# Altium PCB PCB.PcbDoc (part 1 of 10) (continued)
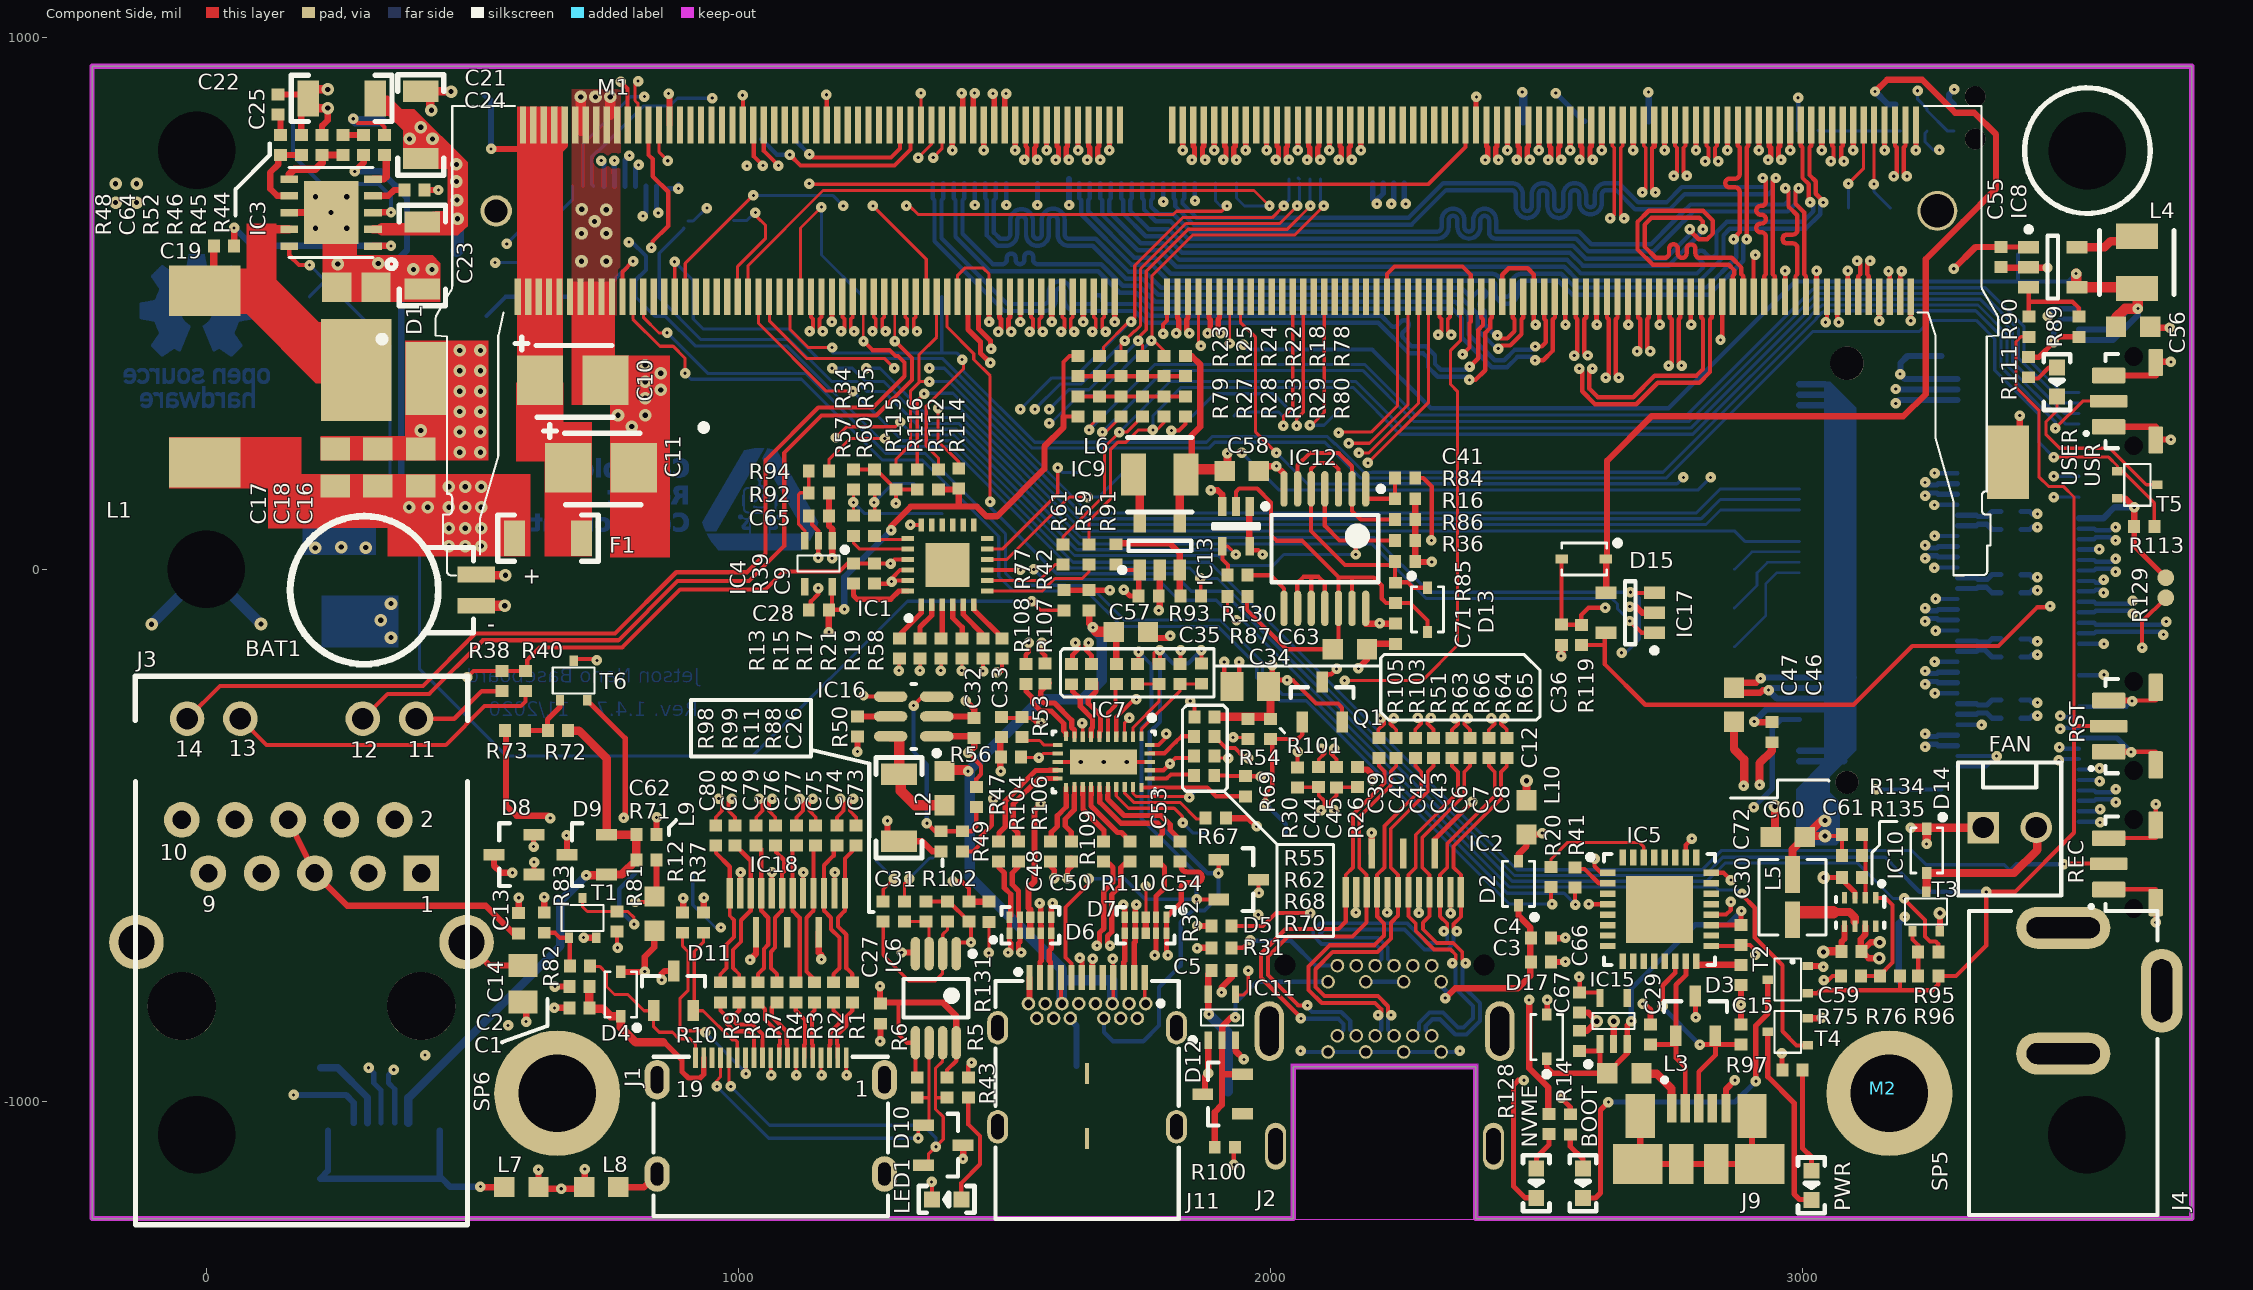
[diagram p0: Component Side view]
## Components (designator, comment, footprint, x,y, rotation, side; value= is the part's Value field where it differs from the comment) (continued)
BOOT "APT1608SGC" LED0603 2587.61,-1153.7 r270 top
C1 "4u7" 0402#1 701.33,-824 r0 top
C2 "4u7" 0402#1 701.33,-784 r0 top
C3 "4u7" 0402#1 2508.33,-738 r180 top
C4 "4u7" 0402#1 2508.33,-693 r180 top
C5 "100n" 0402#1 1908.33,-754 r180 top
C6 "100n" 0402#1 2341.33,-335.74 r270 top
C7 "100n" 0402#1 2375.39,-335.74 r270 top
C8 "100n" 0402#1 2410.61,-335.74 r270 top
C9 "100n" 0402#1 1256.33,-8 r90 top
C10 "CPol" Kemet_B 627.23,355.68 r0 top
C11 "CPol" Kemet_B 680.28,191.11 r0 top
C12 "100n" 0402#1 2444.43,-335.74 r270 top
C13 "10n" 0402#1 587.33,-665 r90 top
C14 "100p" 0805 595.33,-779 r270 top
C15 "47p" 0402#1 2884.33,-874 r270 top
C16 "47u" 0805 402.96,191.54 r270 top
C17 "47u" 0805 242.39,191.54 r270 top
C18 "47u" 0805 322.67,191.54 r270 top
C19 "100n" 0402#1 33.33,608 r180 top
C21 "2u2" 1206 403.22,835.39 r270 top
C22 "2u2" 1206 254.58,885.07 r0 top
C23 "2u2" 1206 406.33,590 r90 top
C24 "10n" 0402#1 391.33,713 r0 top
C25 "4n7" 0402#1 135.08,873.45 r270 top
C26 "100n" 0402#1 1433.33,-643 r90 top
C27 "100n" 0402#1 1267.33,-835 r90 top
C28 "1u" 0402#1 1151.33,-76 r0 top
C29 "47p" 0402#1 2714.33,-874 r270 top
C30 "100n" 0402#1 2884.33,-762 r90 top
C31 "100u" 1206 1302.09,-447.89 r90 top
C32 "1u" 0402#1 1443.33,-298 r270 top
C33 "100n" 0402#1 1494.33,-296 r270 top
C34 "47u" 0805 1962.33,-220 r0 top
C35 "10u" 0603 1737.94,-117.64 r180 top
C36 "100n" 0402#1 2547.03,-122.83 r90 top
C37 "100n" 0402#1 3391.61,108.98 r0 bottom
C38 "100n" 0402#1 3391.61,74.86 r0 bottom
C39 "100n" 0402#1 2204.11,-335.74 r270 top
C40 "100n" 0402#1 2236.52,-335.74 r270 top
C41 "47n" 0402#1 2253.33,172 r180 top
C42 "100n" 0402#1 2272.76,-335.74 r270 top
C43 "100n" 0402#1 2306.33,-335.74 r270 top
C44 "100n" 0402#1 2090.84,-390.42 r270 top
C45 "100n" 0402#1 2124.47,-390.6 r270 top
C46 "100n" 0402#1 2942.33,-306 r90 top
C47 "10u" 0603 2871.33,-254.34 r90 top
C48 "100n" 0402#1 1586.38,-530 r90 top
C49 "100n" 0402#1 3391.61,-9.63 r0 bottom
C50 "100n" 0402#1 1626.24,-530 r90 top
C51 "100n" 0402#1 3391.61,-44.02 r0 bottom
C52 "100n" 0402#1 3391.61,-130.35 r0 bottom
C53 "100n" 0402#1 1785.68,-530 r90 top
C54 "100n" 0402#1 1830.22,-530 r90 top
C55 "4u7" 0402#1 3373.33,587 r90 top
C56 "10u" 0603 3621.33,456 r180 top
C57 "4u7" 0402#1 1771.33,-50 r180 top
C58 "10u" 0603 1946.33,185 r180 top
C59 "2u2" 0402#1 3092.33,-718 r0 top
C60 "10u" 0603 2972.33,-503 r0 top
C61 "100p" 0402#1 3093.33,-498 r180 top
C62 "4u7" 0402#1 827.33,-498 r180 top
C63 "10u" 0603 2149.33,-150 r180 top
C64 "47p" 0402#1 178.77,797.54 r270 top
C65 "2u2" 0402#1 1151.33,100 r0 top
C66 "1u" 0402#1 2581.33,-814 r90 top
C67 "2u2" 0402#1 2581.33,-886 r270 top
C68 "100n" 0402#1 3391.61,-164.73 r0 bottom
C69 "100n" 0402#1 3391.61,-245.28 r0 bottom
C70 "100n" 0402#1 3391.61,-279.67 r0 bottom
C71 "100n" 0402#1 2235.33,-121 r90 top
C72 "100n" 0402#1 2884.33,-687 r90 top
C73 "100n" 0402#1 1221.48,-500.15 r270 top
C74 "100n" 0402#1 1185.51,-500.15 r270 top
C75 "100n" 0402#1 1145.53,-500.15 r270 top
C76 "100n" 0402#1 1069.57,-500.15 r270 top
C77 "100n" 0402#1 1109.55,-500.15 r270 top
C78 "100n" 0402#1 993.62,-500.15 r270 top
C79 "100n" 0402#1 1033.6,-500.15 r270 top
C80 "100n" 0402#1 957.64,-500.15 r270 top
D1 "PDS760-13" PowerDI 282.33,374.49 r90 top
D2 "1N4148WS" SOD-323#1 2466.33,-590 r180 top
D3 "TPD2E009DBZR" SOT-23s 2798.9,-839.1 r90 top
D4 "1N4148WS" SOD-323#1 779.33,-798 r180 top
D5 "TPD2E009DBZR" SOT-23s 1940.33,-583 r0 top
D6 "TPD4E05U06" TPD4E05U06_PASS 1548.97,-668.82 r0 top
D7 "TPD4E05U06" TPD4E05U06_PASS 1765.5,-668.82 r180 top
D8 "TPD2E009DBZR" SOT-23s 578.33,-536 r180 top
D9 "TPD2E009DBZR" SOT-23s 715.33,-536 r180 top
D10 "TPD2E009DBZR" SOT-23s 1385.33,-1082 r0 top
D11 "TPD2E009DBZR" SOT-23s 878.33,-792 r90 top
D12 "TPD2E009DBZR" SOT-23s 1910.33,-986 r180 top
D13 "1N4148WS" SOD-323#1 2295.33,-76 r0 top
D14 "1N4148WS" SOD-323#2 3233.33,-529 r180 top
D15 "1N4148WS" SOD-323#1 2588.95,19.59 r270 top
D17 "1N4148WS" SOD-323#1 2519.33,-878 r180 top
F1 "Value" Fuse-1206 579.37,58.87 r0 top
FAN "MX-22-23-2021" molex_2223-2021 3389.4,-485.2 r0 top
IC1 "TCA9548ARGER" VQFN-24 1393.12,8.64 r180 top
IC2 "TPD8S009" SON-15 2249.75,-570.39 r180 top
IC3 "TPS54561QDPRRQ1" WSON-10_4x4 234.74,670.58 r270 top
IC4 "TLV70018DCKT" SC70-5 1176.33,54 r270 top
IC5 "FT232RQ" QFN-32 2731.33,-639 r0 top
IC6 "PCA9517ADP,118" MSOP-8 1371.33,-806 r270 top
IC7 "HD3SS3220" RNH0030A 1686.76,-361.73 r270 top
IC8 "LM3671MF-3.3" SOT23-5N 3470.33,568 r0 top
IC9 "LM3671MF-3.3" SOT23-5N 1792.19,44.15 r90 top
IC10 "TPS62823DLCT" TPS62823 3108.33,-644 r270 top
IC11 "SN74LV1T125DCKR" SC70-5 1883.33,-885 r90 top
IC12 "74HC00PW,118" TSSOP-14 2102.33,39 r270 top
IC13 "SN74LVC1G126DCKR" R-PDSO-G5 1935.33,81 r270 top
IC15 "TLV70018DCKT" SC70-5 2619.33,-892 r90 top
IC16 "NCP380HSNAJAAT1G" TSOP-6 1329.64,-276.41 r180 top
IC17 "AT24CS01-STUM-T" SOT23-5 2676.43,-81.52 r180 top
IC18 "TPD8S009" SON-15 1092.27,-645.2 r0 top
J1 "685119136923" WE_685119136923 1061.09,-1059.53 r0 top
J2 "2129320-3" 2129320-3 2214.64,-913.86 r0 top locked
J3 "7499110124" WE_7499110124 179.14,-550.71 r180 top locked
J4 "PJ-002AH" DC_SOCKET_PJ-002AH 3490.12,-1213.07 r90 top
J5 "Molex 47346-0001" CON-Molex-047346-0001 328.75,-1090.08 r90 bottom
J6 "68715014522" 68715014522 1753.94,740.63 r0 bottom
J7 "68715014022" 68715014022 3534.48,22.92 r270 bottom
J8 "MDT580M01001" MDT580M01001 3142.64,-6.42 r90 bottom
J9 "Molex 47346-0001" CON-Molex-047346-0001 2805.12,-1062.52 r90 top
J10 "68711014522" WE_68711014522_MFG 775.98,822.83 r0 bottom
J11 "632723100011" WE_632723100011 1655.58,-988.66 r0 top locked
L1 "7447798720" WE_7447798720 -2.76,362.1 r270 top
L2 "BLM18EG221SN1D" 0603 1387.33,-411 r90 top
L3 "BLM18EG221SN1D" 0603 2665.33,-947 r180 top
L4 "LQH32PN2R2NN0L" LQH32PN2R2NN0L 3628.33,577 r270 top
L5 "IHLP1212AEERR47M11" IHLP-1212AE 2981.33,-616 r90 top
L6 "LQH32PN2R2NN0L" LQH32PN2R2NN0L 1792.19,178.01 r0 top
L7 "BLM18SG121TN1D" 0603 592.33,-1161 r0 top
L8 "BLM18SG121TN1D" 0603 742.33,-1161 r0 top
L9 "BLM18SG121TN1D" 0603 842.33,-647 r270 top
L10 "BLM18SG121TN1D" 0603 2481.33,-466 r270 top
LED1 "APT1608SGC" LED0603 1391.66,-1184.1 r180 top
M1 "2309413-1" jetson-nano-connector 3151.33,-979.84 r180 top
M2 "Value" jetson-nano-module 3151.03,-974.78 r180 top
NVME "APT1608SGC" LED0603 2499.66,-1153.7 r270 top
PWR "APT1608SGC" LED0603 3016.71,-1157.67 r270 top
Q1 "PMV32UP,215" SOT-23 2097.33,-249 r90 top
R1 "5R6" 0402#1 1214.32,-794.8 r270 top
R2 "5R6" 0402#1 1178.89,-794.8 r270 top
R3 "5R6" 0402#1 1143.45,-794.8 r270 top
R4 "5R6" 0402#1 1108.02,-794.8 r270 top
R5 "2k" 0402#1 1392.33,-974 r270 top
R6 "2k" 0402#1 1336.33,-974 r270 top
R7 "5R6" 0402#1 1072.59,-794.8 r270 top
R8 "5R6" 0402#1 1037.15,-794.8 r270 top
R9 "5R6" 0402#1 1001.72,-794.8 r270 top
R10 "5R6" 0402#1 966.29,-794.8 r270 top
R11 "2k" 0402#1 1352.83,-643 r270 top
R12 "0R" 0402#1 895.33,-664 r270 top
R13 "0R" 0402#1 1302.57,-148.84 r90 top
R14 "470R" 0402#1 2563.61,-1042.83 r90 top
R15 "0R" 0402#1 1341.94,-148.84 r90 top
R16 "1k" 0402#1 2253.33,93.5 r180 top
R17 "0R" 0402#1 1381.31,-148.84 r90 top
R18 "2k" 0402#1 1799.93,382 r90 top
R19 "0R" 0402#1 1460.05,-148.84 r90 top
R20 "22R" 0402#1 2527.33,-578 r270 top
R21 "0R" 0402#1 1420.68,-148.84 r90 top
R22 "2k" 0402#1 1759.53,382 r90 top
R23 "0R" 0402#1 1638.33,382 r90 top
R24 "2k" 0402#1 1719.13,382 r90 top
R25 "2k" 0402#1 1678.73,382 r90 top
R26 "100k" 0402#1 2163.76,-390.42 r90 top
R27 "2k" 0402#1 1678.73,306 r270 top
R28 "2k" 0402#1 1719.33,306 r270 top
R29 "2k" 0402#1 1799.91,306 r270 top
R30 "100k" 0402#1 2051.18,-391.15 r270 top
R31 "1M" 0402#1 1908.33,-711.25 r0 top
R32 "1M" 0402#1 1908.33,-670 r0 top
R33 "2k" 0402#1 1759.33,306 r270 top
R34 "2k" 0402#1 1216.33,169 r270 top
R35 "2k" 0402#1 1256.33,169 r270 top
R36 "1k" 0402#1 2253.33,15 r0 top
R37 "2k" 0402#1 934.33,-664 r90 top
R38 "220R" 0402#1 556.33,-210 r90 top
R39 "0R" 0402#1 1216.33,-8 r90 top
R40 "220R" 0402#1 600.33,-210 r90 top
R41 "22R" 0402#1 2572.33,-579 r270 top
R42 "0R" 0402#1 1659.33,-58 r270 top
R43 "470R" 0402#1 1432.33,-974 r90 top
R44 "243k" 0402#1 335.01,797.54 r90 top
R45 "49R9" 0402#1 295.95,797.54 r270 top
R46 "53k6" 0402#1 256.89,797.54 r90 top
R47 "0R" 0402#1 1447.33,-428 r90 top
R48 "16k9" 0402#1 139.71,797.51 r270 top
R49 "0R" 0402#1 1421.33,-511 r90 top
R50 "10k2" 0402#1 1224.33,-295 r90 top
R51 "909k" 0402#1 1710.38,-196.38 r90 top
R52 "10k2" 0402#1 217.83,797.54 r270 top
R53 "200k" 0402#1 1533.33,-296 r90 top
R54 "10k" 0402#1 1958.33,-300 r270 top
R55 "2k" 0402#1 1876.33,-277 r180 top
R56 "0R" 0402#1 1512.33,-353 r0 top
R57 "0R" 0402#1 1216.33,82 r90 top
R58 "0R" 0402#1 1495.49,-148.84 r90 top
R59 "0R" 0402#1 1659.33,28 r270 top
R60 "0R" 0402#1 1256.33,82 r90 top
R61 "0R" 0402#1 1610.33,28 r270 top
R62 "0R" 0402#1 1875.74,-313.7 r180 top
R63 "0R" 0402#1 1750.37,-196.38 r90 top
R64 "0R" 0402#1 1830.34,-196.38 r90 top
R65 "0R" 0402#1 1870.33,-196 r270 top
R66 "0R" 0402#1 1790.36,-196.38 r270 top
R67 "200k" 0402#1 1897.28,-467.67 r0 top
R68 "0R" 0402#1 1875.74,-350.41 r180 top
R69 "2k" 0402#1 1953.45,-407.51 r270 top
R70 "2k" 0402#1 1875.66,-387.11 r180 top
R71 "0R" 0402#1 827.33,-546 r0 top
R72 "10k" 0402#1 661.33,-303 r180 top
R73 "2k" 0402#1 580.33,-303 r180 top
R75 "0R" 0402#1 3091.33,-764 r180 top
R76 "10k" 0402#1 3164.33,-764 r0 top
R77 "100k" 0402#1 1612.33,-58 r90 top
R78 "0R" 0402#1 1840.33,382 r90 top
R79 "0R" 0402#1 1638.33,306 r270 top
R80 "0R" 0402#1 1840.33,306 r270 top
R81 "2k" 0402#1 772.33,-662 r90 top
R82 "0R" 0402#1 702.33,-745 r180 top
R83 "2k" 0402#1 635.33,-664 r90 top
R84 "200k" 0402#1 2253.33,132.75 r0 top
R85 "470k" 0402#1 2235.33,-44 r270 top
R86 "200k" 0402#1 2253.33,54.25 r0 top
R87 "1k" 0402#1 1938.33,-51 r0 top
R88 "2k" 0402#1 1393.08,-643 r270 top
R89 "0R" 0402#1 3519.33,456 r270 top
R90 "10k" 0402#1 3425.33,456 r270 top
R91 "0R" 0402#1 1709.52,28.4 r270 top
R92 "0R" 0402#1 1151.33,144 r180 top
R93 "10k" 0402#1 1850.33,-50 r0 top
R94 "10k" 0402#1 1151.33,185 r0 top
R95 "10k" 0402#1 3236.33,-719 r0 top
R96 "10k" 0402#1 3236.33,-764 r0 top
R97 "470R" 0402#1 2981.33,-941 r180 top
R98 "0R" 0402#1 1272.33,-643 r90 top
R99 "0R" 0402#1 1312.58,-643 r90 top
R100 "100k" 0402#1 1914.33,-1086 r180 top
R101 "100k" 0402#1 2000.33,-300 r90 top
R102 "10k" 0402#1 1381.33,-511 r90 top
R103 "0R" 0402#1 1663.64,-196.57 r270 top
R104 "0R" 0402#1 1489.33,-530 r270 top
R105 "0R" 0402#1 1626.33,-197 r270 top
R106 "0R" 0402#1 1526.33,-530 r270 top
R107 "0R" 0402#1 1576.33,-196 r270 top
R108 "0R" 0402#1 1540.33,-196.38 r270 top
R109 "0R" 0402#1 1686.33,-530 r270 top
R110 "0R" 0402#1 1736.33,-530 r270 top
R111 "470R" 0402#1 3424.33,380 r90 top
R112 "10k" 0402#1 1376.33,169 r90 top
R113 "100k" 0402#1 3642.33,81 r180 top
R114 "10k" 0402#1 1414.33,171 r270 top
R115 "10k" 0402#1 1296.33,169 r270 top
R116 "10k" 0402#1 1336.33,169 r270 top
R119 "100k" 0402#1 2584.33,-123 r270 top
R128 "220R" 0402#1 2523.45,-1042.44 r90 top
R129 "0R" 0402#2 3682.9,-34.57 r270 top
R130 "0R" 0402#1 1938.33,-11 r0 top
R131 "10k" 0402#1 1471.19,-643.43 r270 top
R132 "0R" 0402#1 3010.79,824.82 r0 bottom
R134 "243k" 0402#1 3093.33,-538 r0 top
R135 "53k6" 0402#1 3093.33,-579 r0 top
REC "TL3340AF160QG" TL3340AF160QG 3622.68,-553.46 r270 top locked
RST "TL3340AF160QG" TL3340AF160QG 3622.68,-294.52 r270 top locked
SP1 "9774060151" M2.5-6mm 3535.42,786.93 r180 bottom
SP2 "9774060151" M2.5-6mm 3534.48,-1062.52 r180 bottom
SP3 "9774060151" M2.5-6mm -17.71,787.88 r180 bottom
SP4 "9774060151" M2.5-6mm -17.71,-1062.52 r0 bottom locked
SP5 "9774060151" M2.5-6mm 3163.45,-984.72 r0 top locked
SP6 "9774060151" M2.5-6mm 659.45,-984.72 r0 top locked
SP7 "9774040151" M2.5-4mm 0,0 r180 bottom
T1 "BSS138PW,115" SC70-3 707.33,-655 r90 top
T2 "BSS138PW,115" SC70-3 2972.33,-771 r180 top
T3 "BSS138PW,115" SC70-3 3232.33,-643 r90 top
T4 "BSS138PW,115" SC70-3 2972.33,-869 r180 top
T5 "BSS138PW,115" SC70-3 3629.33,159 r0 top
T6 "BSS138PW,115" SC70-3 690.59,-208.69 r90 top
TP1 "Testpad" TP-R-1.5#1 1383.12,96.68 r180 bottom
TP2 "Testpad" TP-R-1.5#2 2869.41,72.3 r90 bottom
TP3 "Testpad" TP-R-1.5#3 3165.33,684 r90 bottom
TP4 "Testpad" TP-R-1.5#4 3086.33,679 r90 bottom
TP5 "Testpad" TP-R-1.5#4 163.02,842 r90 bottom
TP6 "Testpad" TP-R-1.5#5 1931.33,288 r90 bottom
TP7 "Testpad" TP-R-1.5#4 2872.09,0.25 r90 bottom
TP8 "Testpad" TP-R-1.5#4 2131.2,301.44 r90 bottom
TP9 "Testpad" TP-R-1.5#6 1846.33,297 r90 bottom
TP10 "Testpad" TP-R-1.5#7 1330.02,161.62 r90 bottom
TP11 "Testpad" TP-R-1.5#8 1719.33,227 r90 bottom
TP12 "Testpad" TP-R-1.5#9 1644.33,206 r90 bottom
TP13 "Testpad" TP-R-1.5#4 1234.99,512.29 r90 bottom
TP14 "Testpad" TP-R-1.5#4 991.4,655.69 r90 bottom
TP15 "Testpad" TP-R-1.5#4 2872.24,-145.41 r90 bottom
TP16 "Testpad" TP-R-1.5#4 469.85,588.96 r90 bottom
TP17 "Testpad" TP-R-1.5#10 330.33,847.63 r90 bottom
TP18 "Testpad" TP-R-1.5#4 2029.33,-494 r90 bottom
TP19 "Testpad" TP-R-1.5#4 1635.58,-932.6 r90 bottom
TP20 "Testpad" TP-R-1.5#4 2872.09,-72.58 r90 bottom
TP21 "Testpad" TP-R-1.5#4 1881.73,-495.57 r90 bottom
TP22 "Testpad" TP-R-1.5#4 215.58,-936.53 r90 bottom
TP23 "Testpad" TP-R-1.5#11 1043.28,808.51 r90 bottom
TP24 "Testpad" TP-R-1.5#12 1107.04,842 r90 bottom
TP25 "Testpad" TP-R-1.5#13 806.33,-575 r90 bottom
TP26 "Testpad" TP-R-1.5#4 914.33,-571 r90 bottom
TP27 "Testpad" TP-R-1.5#4 905.61,654.69 r90 bottom
TP28 "Testpad" TP-R-1.5#4 627.02,605.68 r90 bottom
TP29 "Testpad" TP-R-1.5#14 806.86,522.45 r90 bottom
TP30 "TC2030" TC2030 3224.54,848.78 r0 bottom
TP31 "Testpad" TP-R-1.5#4 522.85,471.28 r90 bottom
TP32 "Testpad" TP-R-1.5#4 1881.48,-410.88 r90 bottom
TP33 "Testpad" TP-R-1.5#4 1258.78,-542.38 r90 bottom
TP34 "Testpad" TP-R-1.5#15 1365.58,-544.46 r90 bottom
TP35 "Testpad" TP-R-1.5#16 915.33,511 r90 bottom
TP36 "Testpad" TP-R-1.5#17 1382.33,513 r90 bottom
TP37 "Testpad" TP-R-1.5#18 3180.33,-585 r90 bottom
TP38 "Testpad" TP-R-1.5#4 522.28,900.75 r90 bottom
TP39 "Testpad" TP-R-1.5#4 3390.33,-566 r90 bottom
TP40 "Testpad" TP-R-1.5#4 194.33,512 r90 bottom
TP41 "Testpad" TP-R-1.5#19 3184.33,-774 r90 bottom
TP42 "Testpad" TP-R-1.5#20 2591.33,831 r90 bottom
TP43 "Testpad" TP-R-1.5#4 3405.33,592 r90 bottom
TP44 "Testpad" TP-R-1.5#21 2711.33,841 r90 bottom
TP45 "Testpad" TP-R-1.5#20 2475.33,831 r90 bottom
TP47 "Testpad" TP-R-1.5#4 1920.33,-981 r90 bottom
USER "APT1608SGC" LED0603 3478.33,352 r270 top
USR "TL3340AF160QG" TL3340AF160QG 3622.67,316.14 r270 top locked

## Footprints (in the part's own frame and the unit in brackets; to place one, negate y for a bottom-side part, rotate by r counter-clockwise, add the part's x,y. Pads: shape width x height; smd on the part's side, far side on the other; paste and mask are expansions set on the pad)
0402#1 [mm]
  rect 0.57x0.62 smd: 1(-0.48,0) 2(0.48,0)
  body extent -0.47,-0.25 0.53,0.25, height 0.35
0402#2 [mm]
  round 0.8 smd: 1(-0.48,0) 2(0.48,0)
  body extent -0.47,-0.25 0.53,0.25, height 0.35
0603 [mm] "Chip Inductor Ferrite Bead 0603"
  rect 0.97x0.96 smd: 1(-0.815,0) 2(0.815,0)
  body extent -0.87,-0.48 0.87,0.47, height 0.6
0805 [mm]
  rect 1.1x1.4 smd: 1(-0.875,0) 2(0.875,0)
  body extent -1,-0.63 1,0.63, height 0.78
1206 [mm]
  rect 1.016x1.7 smd: 1(-1.6,0) 2(1.6,0)
  silkscreen extent -2.4,-1.1 2.4,1.1, body extent -1.63,-0.79 1.58,0.84, height 0.61
2129320-3 [mm]
  round 0.65 hole 0.45: 1(-2.7,0.175) 2(-2.7,3.525) 3(-2.25,0.95) 4(-2.25,4.3) 5(-1.35,0.95) 6(-1.35,4.3) 7(-0.9,0.175) 8(-0.9,3.525) 9(-0.45,0.95) 10(-0.45,4.3) 11(0.45,0.95) 12(0.45,4.3) 13(0.908,0.175) 14(0.908,3.525) 15(1.35,0.95) 16(1.35,4.3) 17(2.25,0.95) 18(2.25,4.3) 19(2.7,0.175) 20(2.7,3.525)
  oval 1.4x2.85 hole 0.9 slot 2.35 at 90 deg: 21(-5.5,1.175) 24(5.5,1.175)
  oval 1x2.25 hole 0.7 slot 1.74 at 90 deg: 22(-5.2,-4.325) 23(5.2,-4.325)
  round 0.75 hole 1 unplated: M(-4.75,4.325) M(4.75,4.325)
  Keep-Out Layer board cut-out: -4.445,-0.381 4.445,-0.381 4.445,-7.825 -4.445,-7.825
  body extent -5.7,-7.82 5.7,4.83, height 4.18
68715014022 [mm] "50 pins"
  rect 0.3x1.2 smd: 1(12.635,0.381) 2(12.135,0.381) 3(11.635,0.381) 4(11.135,0.381) 5(10.635,0.381) 6(10.135,0.381) 7(9.635,0.381) 8(9.135,0.381) 9(8.635,0.381) 10(8.135,0.381) 11(7.635,0.381) 12(7.135,0.381) 13(6.635,0.381) 14(6.135,0.381) 15(5.635,0.381) 16(5.135,0.381) 17(4.635,0.381) 18(4.135,0.381) 19(3.635,0.381) 20(3.135,0.381) 21(2.635,0.381) 22(2.135,0.381) 23(1.635,0.381) 24(1.135,0.381) 25(0.635,0.381) 26(0.135,0.381) 27(-0.365,0.381) 28(-0.865,0.381) 29(-1.365,0.381) 30(-1.865,0.381) 31(-2.365,0.381) 32(-2.865,0.381) 33(-3.365,0.381) 34(-3.865,0.381) 35(-4.365,0.381) 36(-4.865,0.381) 37(-5.365,0.381) 38(-5.865,0.381) 39(-6.365,0.381) 40(-6.865,0.381) 41(-7.365,0.381) 42(-7.865,0.381) 43(-8.365,0.381) 44(-8.865,0.381) 45(-9.365,0.381) 46(-9.865,0.381) 47(-10.365,0.381) 48(-10.865,0.381) 49(-11.365,0.381) 50(-11.865,0.381)
  rect 2.7x3 smd: M(-13.795,-1.599) M(14.565,-1.599)
  silkscreen extent -15.42,-4.32 16.19,1.28, body extent -15.31,-4.17 16.09,0.93
68715014522 [mm] "50 pins"
  rect 0.3x1.2 smd: 1(-11.865,0.381) 2(-11.365,0.381) 3(-10.865,0.381) 4(-10.365,0.381) 5(-9.865,0.381) 6(-9.365,0.381) 7(-8.865,0.381) 8(-8.365,0.381) 9(-7.865,0.381) 10(-7.365,0.381) 11(-6.865,0.381) 12(-6.365,0.381) 13(-5.865,0.381) 14(-5.365,0.381) 15(-4.865,0.381) 16(-4.365,0.381) 17(-3.865,0.381) 18(-3.365,0.381) 19(-2.865,0.381) 20(-2.365,0.381) 21(-1.865,0.381) 22(-1.365,0.381) 23(-0.865,0.381) 24(-0.365,0.381) 25(0.135,0.381) 26(0.635,0.381) 27(1.135,0.381) 28(1.635,0.381) 29(2.135,0.381) 30(2.635,0.381) 31(3.135,0.381) 32(3.635,0.381) 33(4.135,0.381) 34(4.635,0.381) 35(5.135,0.381) 36(5.635,0.381) 37(6.135,0.381) 38(6.635,0.381) 39(7.135,0.381) 40(7.635,0.381) 41(8.135,0.381) 42(8.635,0.381) 43(9.135,0.381) 44(9.635,0.381) 45(10.135,0.381) 46(10.635,0.381) 47(11.135,0.381) 48(11.635,0.381) 49(12.135,0.381) 50(12.635,0.381)
  rect 2.7x3 smd: M(-13.795,-1.599) M(14.565,-1.599)
  silkscreen extent -15.42,-4.32 16.19,1.28, body extent -15.32,-4.32 16.08,0.78, height 2.06
CON-Molex-047346-0001 [mm]
  rect 1.38x0.45 smd: 1(1.263,1.3) 2(1.263,0.65) 3(1.263,0) 4(1.263,-0.65) 5(1.263,-1.3)
  rect 1.9x2.37 smd: S(-1.397,-2.91) S(-1.397,2.91)
  rect 1.9x1.175 smd: S(-1.397,-0.837) S(-1.397,0.837)
  rect 2.1x1.4 smd: S(0.903,-2.54) S(0.903,2.794)
  silkscreen extent 2.61,1.35 2.97,1.7, body extent -3.8,-3.99 1.63,3.99, height 2.71
DC_SOCKET_PJ-002AH [mm]
  oval 2x4.5 hole 1 slot 3.5 at 90 deg: 1(13.7,0) 3(7.7,0)
  oval 4x2 hole 1 slot 3 at 0 deg: 2(10.7,-4.7)
  silkscreen extent 0,-4.5 14.5,4.5, body extent 0.05,-4.95 14.45,4.45, height 11
Fuse-1206 [mm]
  rect 1.016x1.7 smd: 1(0,0) 2(3.2,0)
  silkscreen extent -0.8,-1.1 4,1.1, body extent -0.03,-0.82 3.18,0.83, height 1.43
IHLP-1212AE [mil]
  rect 69x28 smd: 1(-42.5,0) 2(42.5,0)
  silkscreen extent -124,-63 71,63, body extent -71,-63 71,63, height 61
jetson-nano-connector [mm]
  rect 0.3x1.75 smd paste-0.05: 1(-1.575,-46.1) 2(-1.325,-37.9) 3(-1.075,-46.1) 4(-0.825,-37.9) 5(-0.575,-46.1) 6(-0.325,-37.9) 7(-0.075,-46.1) 8(0.175,-37.9) 9(0.425,-46.1) 10(0.675,-37.9) 11(0.925,-46.1) 12(1.175,-37.9) 13(1.425,-46.1) 14(1.675,-37.9) 15(1.925,-46.1) 16(2.175,-37.9) 17(2.425,-46.1) 18(2.675,-37.9) 19(2.925,-46.1) 20(3.175,-37.9) 21(3.425,-46.1) 22(3.675,-37.9) 23(3.925,-46.1) 24(4.175,-37.9) 25(4.425,-46.1) 26(4.675,-37.9) 27(4.925,-46.1) 28(5.175,-37.9) 29(5.425,-46.1) 30(5.675,-37.9) 31(5.925,-46.1) 32(6.175,-37.9) 33(6.425,-46.1) 34(6.675,-37.9) 35(6.925,-46.1) 36(7.175,-37.9) 37(7.425,-46.1) 38(7.675,-37.9) 39(7.925,-46.1) 40(8.175,-37.9) 41(8.425,-46.1) 42(8.675,-37.9) 43(8.925,-46.1) 44(9.175,-37.9) 45(9.425,-46.1) 46(9.675,-37.9) 47(9.925,-46.1) 48(10.175,-37.9) 49(10.425,-46.1) 50(10.675,-37.9) 51(10.925,-46.1) 52(11.175,-37.9) 53(11.425,-46.1) 54(11.675,-37.9) 55(11.925,-46.1) 56(12.175,-37.9) 57(12.425,-46.1) 58(12.675,-37.9) 59(12.925,-46.1) 60(13.175,-37.9) 61(13.425,-46.1) 62(13.675,-37.9) 63(13.925,-46.1) 64(14.175,-37.9) 65(14.425,-46.1) 66(14.675,-37.9) 67(14.925,-46.1) 68(15.175,-37.9) 69(15.425,-46.1) 70(15.675,-37.9) 71(15.925,-46.1) 72(16.175,-37.9) 73(16.425,-46.1) 74(16.675,-37.9) 75(16.925,-46.1) 76(17.175,-37.9) 77(17.425,-46.1) 78(17.675,-37.9) 79(17.925,-46.1) 80(18.175,-37.9) 81(18.425,-46.1) 82(18.675,-37.9) 83(18.925,-46.1) 84(19.175,-37.9) 85(19.425,-46.1) 86(19.675,-37.9) 87(19.925,-46.1) 88(20.175,-37.9) 89(20.425,-46.1) 90(20.675,-37.9) 91(20.925,-46.1) 92(21.175,-37.9) 93(21.425,-46.1) 94(21.675,-37.9) 95(21.925,-46.1) 96(22.175,-37.9) 97(22.425,-46.1) 98(22.675,-37.9) 99(22.925,-46.1) 100(23.175,-37.9) 101(23.425,-46.1) 102(23.675,-37.9) 103(23.925,-46.1) 104(24.175,-37.9) 105(24.425,-46.1) 106(24.675,-37.9) 107(24.925,-46.1) 108(25.175,-37.9) 109(25.425,-46.1) 110(25.675,-37.9) 111(25.925,-46.1) 112(26.175,-37.9) 113(26.425,-46.1) 114(26.675,-37.9) 115(26.925,-46.1) 116(27.175,-37.9) 117(27.425,-46.1) 118(27.675,-37.9) 119(27.925,-46.1) 120(28.175,-37.9) 121(28.425,-46.1) 122(28.675,-37.9) 123(28.925,-46.1) 124(29.175,-37.9) 125(29.425,-46.1) 126(29.675,-37.9) 127(29.925,-46.1) 128(30.175,-37.9) 129(30.425,-46.1) 130(30.675,-37.9) 131(30.925,-46.1) 132(31.175,-37.9) 133(31.425,-46.1) 134(31.675,-37.9) 135(31.925,-46.1) 136(32.175,-37.9) 137(32.425,-46.1) 138(32.675,-37.9) 139(32.925,-46.1) 140(33.175,-37.9) 141(33.425,-46.1) 142(33.675,-37.9) 143(33.925,-46.1) 144(34.175,-37.9) 145(36.425,-46.1) 146(36.675,-37.9) 147(36.925,-46.1) 148(37.175,-37.9) 149(37.425,-46.1) 150(37.675,-37.9) 151(37.925,-46.1) 152(38.175,-37.9) 153(38.425,-46.1) 154(38.675,-37.9) 155(38.925,-46.1) 156(39.175,-37.9) 157(39.425,-46.1) 158(39.675,-37.9) 159(39.925,-46.1) 160(40.175,-37.9) 161(40.425,-46.1) 162(40.675,-37.9) 163(40.925,-46.1) 164(41.175,-37.9) 165(41.425,-46.1) 166(41.675,-37.9) 167(41.925,-46.1) 168(42.175,-37.9) 169(42.425,-46.1) 170(42.675,-37.9) 171(42.925,-46.1) 172(43.175,-37.9) 173(43.425,-46.1) 174(43.675,-37.9) 175(43.925,-46.1) 176(44.175,-37.9) 177(44.425,-46.1) 178(44.675,-37.9) 179(44.925,-46.1) 180(45.175,-37.9) 181(45.425,-46.1) 182(45.675,-37.9) 183(45.925,-46.1) 184(46.175,-37.9) 185(46.425,-46.1) 186(46.675,-37.9) 187(46.925,-46.1) 188(47.175,-37.9) 189(47.425,-46.1) 190(47.675,-37.9) 191(47.925,-46.1) 192(48.175,-37.9) 193(48.425,-46.1) 194(48.675,-37.9) 195(48.925,-46.1) 196(49.175,-37.9) 197(49.425,-46.1) 198(49.675,-37.9) 199(49.925,-46.1) 200(50.175,-37.9) 201(50.425,-46.1) 202(50.675,-37.9) 203(50.925,-46.1) 204(51.175,-37.9) 205(51.425,-46.1) 206(51.675,-37.9) 207(51.925,-46.1) 208(52.175,-37.9) 209(52.425,-46.1) 210(52.675,-37.9) 211(52.925,-46.1) 212(53.175,-37.9) 213(53.425,-46.1) 214(53.675,-37.9) 215(53.925,-46.1) 216(54.175,-37.9) 217(54.425,-46.1) 218(54.675,-37.9) 219(54.925,-46.1) 220(55.175,-37.9) 221(55.425,-46.1) 222(55.675,-37.9) 223(55.925,-46.1) 224(56.175,-37.9) 225(56.425,-46.1) 226(56.675,-37.9) 227(56.925,-46.1) 228(57.175,-37.9) 229(57.425,-46.1) 230(57.675,-37.9) 231(57.925,-46.1) 232(58.175,-37.9) 233(58.425,-46.1) 234(58.675,-37.9) 235(58.925,-46.1) 236(59.175,-37.9) 237(59.425,-46.1) 238(59.675,-37.9) 239(59.925,-46.1) 240(60.175,-37.9) 241(60.425,-46.1) 242(60.675,-37.9) 243(60.925,-46.1) 244(61.175,-37.9) 245(61.425,-46.1) 246(61.675,-37.9) 247(61.925,-46.1) 248(62.175,-37.9) 249(62.425,-46.1) 250(62.675,-37.9) 251(62.925,-46.1) 252(63.175,-37.9) 253(63.425,-46.1) 254(63.675,-37.9) 255(63.925,-46.1) 256(64.175,-37.9) 257(64.425,-46.1) 258(64.675,-37.9) 259(64.925,-46.1) 260(65.175,-37.9)
  rect 2x3.5 smd paste-0.05: 261(69.525,-34) 262(-5.975,-30)
  round 1.9 hole 1.6 unplated: M(-2.6,-42)
  round 1.5 hole 1.1 unplated: M(66.2,-42)
  silkscreen extent -5.5,-47 69.1,-24.6, body extent -6.27,-46.9 69.82,-21.05, height 9.23
jetson-nano-module [mil]
  body extent -118,-1654 2622,118, height 422
Kemet_B [mm] "Kemet B size package. Low desity level"
  rect 2.21x2.35 smd: 1(0,0) 2(3.13,0)
  silkscreen extent -1.17,-1.78 3.47,2.05, body extent -0.23,-1.58 3.48,1.43, height 2.11
LED0603 [mil]
  rect 30x30 smd: A(-27.5,0) K(27.5,0)
  silkscreen extent -53,-25 53,25, body extent -33,-16 31,16, height 43
LQH32PN2R2NN0L [mm]
  rect 1.2x2 smd: 1(-1.25,0) 2(1.25,0)
  silkscreen extent -1.52,-1.78 1.52,1.78, body extent -1.52,-1.52 1.52,1.65, height 1.4
M2.5-4mm [mm] "SMT Steel Spacer, M2.5 Thread Internal, 4mm"
  round 6 / inner round 0 / far side round 0 hole 3.7 paste-403.566: 1(0,0)
  body extent -2.55,-2.54 2.53,2.55, height 4
M2.5-6mm [mm] "SMT Steel Spacer, M2.5 Thread Internal, 6mm"
  round 6 / inner round 0 / far side round 0 hole 3.7 paste-403.566: 1(0,0)
  body extent -2.55,-2.54 2.53,2.55, height 6
MDT580M01001 [mm]
  rect 0.3x1.55 smd: 1(-9.25,3.775) 2(-9,-3.775) 3(-8.75,3.775) 4(-8.5,-3.775) 5(-8.25,3.775) 6(-8,-3.775) 7(-7.75,3.775) 8(-7.5,-3.775) 9(-7.25,3.775) 10(-7,-3.775) 11(-6.75,3.775) 12(-6.5,-3.775) 13(-6.25,3.775) 14(-6,-3.775) 15(-5.75,3.775) 16(-5.5,-3.775) 17(-5.25,3.775) 18(-5,-3.775) 19(-4.75,3.775) 20(-4.5,-3.775) 21(-4.25,3.775) 22(-4,-3.775) 23(-3.75,3.775) 24(-3.5,-3.775) 25(-3.25,3.775) 26(-3,-3.775) 27(-2.75,3.775) 28(-2.5,-3.775) 29(-2.25,3.775) 30(-2,-3.775) 31(-1.75,3.775) 32(-1.5,-3.775) 33(-1.25,3.775) 34(-1,-3.775) 35(-0.75,3.775) 36(-0.5,-3.775) 37(-0.25,3.775) 38(0,-3.775) 39(0.25,3.775) 40(0.5,-3.775) 41(0.75,3.775) 42(1,-3.775) 43(1.25,3.775) 44(1.5,-3.775) 45(1.75,3.775) 46(2,-3.775) 47(2.25,3.775) 48(2.5,-3.775) 49(2.75,3.775) 50(3,-3.775) 51(3.25,3.775) 52(3.5,-3.775) 53(3.75,3.775) 54(4,-3.775) 55(4.25,3.775) 56(4.5,-3.775) 57(4.75,3.775) 58(5,-3.775) 67(7.25,3.775) 68(7.5,-3.775) 69(7.75,3.775) 70(8,-3.775) 71(8.25,3.775) 72(8.5,-3.775) 73(8.75,3.775) 74(9,-3.775) 75(9.25,3.775)
  round 1.1 hole 1.1 unplated: None(-10,-1.5)
  round 1.6 hole 1.6 unplated: None(10,-1.5)
  rect 1.2x2.75 smd: SH1(-10.35,3) SH2(10.35,3)
  silkscreen extent -10.95,-4 10.95,5.17, body extent -10.99,-4.27 11.01,4.28, height 5.95
molex_2223-2021 [mm] "Pinhead male 1x2 pitch 2.54mm straight"
  rect 1.5x1.5 hole 1.02: 1(-1.27,0)
  round 1.5 hole 1.02: 2(1.27,0)
  silkscreen extent -2.46,-3.25 2.46,3.1, body extent -2.49,-3.2 2.44,3.15, height 10.68
MS621FE-FL11E [mm]
  rect 1.8x0.75 smd: +(0,-0.75) -(0,0.75)
  silkscreen extent 0.13,-3.5 8.83,3.5, body extent -0.59,-3.37 8.71,3.43, height 2.69
MSOP-8 [mm]
  oval 1.6x0.45 smd: 1(-2.125,0.975) 2(-2.125,0.325) 3(-2.125,-0.325) 4(-2.125,-0.975) 5(2.125,-0.975) 6(2.125,-0.325) 7(2.125,0.325) 8(2.125,0.975)
  silkscreen extent -2.25,-1.55 0.92,1.88, body extent -2.45,-1.52 2.45,1.48, height 1.15
PowerDI [mm]
  rect 1.4x1.39 smd: A(3.962,-0.94) A(3.962,0.94)
  rect 4.86x3.36 smd: C(0,0)
  body extent -2.21,-2.08 4.39,1.97, height 1.17
QFN-32 [mm] "QFN, 32-Leads, Body 5,00x5,00mm, Pitch 0,50mm, Thermal Pad 3,20x3,20mm, IPC Medium Density"
  rect 0.75x0.3 smd: 1(-2.475,1.75) 2(-2.475,1.25) 3(-2.475,0.75) 4(-2.475,0.25) 5(-2.475,-0.25) 6(-2.475,-0.75) 7(-2.475,-1.25) 8(-2.475,-1.75) 17(2.475,-1.75) 18(2.475,-1.25) 19(2.475,-0.75) 20(2.475,-0.25) 21(2.475,0.25) 22(2.475,0.75) 23(2.475,1.25) 24(2.475,1.75)
  rect 0.3x0.75 smd: 9(-1.75,-2.475) 10(-1.25,-2.475) 11(-0.75,-2.475) 12(-0.25,-2.475) 13(0.25,-2.475) 14(0.75,-2.475) 15(1.25,-2.475) 16(1.75,-2.475) 25(1.75,2.475) 26(1.25,2.475) 27(0.75,2.475) 28(0.25,2.475) 29(-0.25,2.475) 30(-0.75,2.475) 31(-1.25,2.475) 32(-1.75,2.475)
  rect 3.2x3.2 smd: 33(0,0)
  silkscreen extent -3.42,-2.65 2.65,2.65, body extent -2.5,-2.5 2.5,2.5, height 1
R-PDSO-G5 [mm] "SOT23, 5-Leads, Body 2.00x2.10mm, Pitch 0.65mm, IPC Medium Density"
  rect 0.9x0.4 smd: 1(-0.95,0.65) 2(-0.95,0) 3(-0.95,-0.65) 4(0.95,-0.65) 5(0.95,0.65)
  silkscreen extent -1.07,-1.1 0.1,1.53, body extent -0.7,-1.07 0.7,1.08, height 1.1
RNH0030A [mm]
  rect 0.45x0.2 smd: 1(-1.23,1.8) 10(-1.23,-1.8) 16(1.225,-1.8) 25(1.225,1.8)
  rect 0.5x0.2 smd: 2(-1.2,1.4) 3(-1.2,1) 4(-1.2,0.6) 5(-1.2,0.2) 6(-1.2,-0.2) 7(-1.2,-0.6) 8(-1.2,-1) 9(-1.2,-1.4) 17(1.2,-1.4) 18(1.2,-1) 19(1.2,-0.6) 20(1.2,-0.2) 21(1.2,0.2) 22(1.2,0.6) 23(1.2,1) 24(1.2,1.4)
  rect 0.2x0.45 smd: 11(-0.8,-2.2) 15(0.8,-2.2) 26(0.8,2.2) 30(-0.8,2.2)
  rect 0.2x0.5 smd: 12(-0.4,-2.2) 13(0,-2.2) 14(0.4,-2.2) 27(0.4,2.2) 28(0,2.2) 29(-0.4,2.2)
  rect 1.2x3.2 smd: 31(0,0)
  silkscreen extent -2.22,-2.45 1.45,2.45, body extent -1.3,-2.3 1.3,2.3, height 0.8
SC70-3 [mm] "SC70, 3-Leads, Pitch 0,65mm, EIAJ SC-88a"
  rect 0.5x0.4 smd: 1(-0.95,0.65) 2(-0.95,-0.65) 3(0.95,0)
  silkscreen extent -0.63,-1 0.63,1, body extent -1.15,-1.08 1.15,1.02, height 1
SC70-5 [mm] "SC70, 5-Leads, Pitch 0,65mm, EIAJ SC-88a"
  rect 0.85x0.35 smd: 1(0,0) 2(0,-0.65) 3(0,-1.3) 4(2.2,-1.3) 5(2.2,0)
  silkscreen extent 0.31,-1.65 1.47,0.73, body extent 0.07,-1.64 2.17,0.36, height 0.96
SOD-323#1 [mm]
  rect 0.45x0.59 smd: A(0,-1.055) C(0,1.055)
  silkscreen extent -0.89,-1.05 0.76,1.74, body extent -0.63,-1.25 0.63,1.25, height 1
SOD-323#2 [mm]
  rect 0.45x0.59 smd: A(0,1.055) C(0,-1.055)
  silkscreen extent -0.89,-1.74 0.76,1.05, body extent -0.6,-1.25 0.65,1.25, height 1
SON-15 [mm]
  rect 0.3x1.45 smd: 1(2.75,0.925) 2(2.25,0.925) 3(1.75,0.925) 4(1.25,0.925) 5(0.75,0.925) 6(0.25,0.925) 7(-0.25,0.925) 8(-0.75,0.925) 9(-1.25,0.925) 10(-1.75,0.925) 11(-2.25,0.925) 12(-2.75,0.925) 13(-1.5,-0.925) 14(0,-0.925) 15(1.5,-0.925)
  body extent -3.3,-1.3 3.3,1.3, height 0.8
SOT23-5 [mm] "SOT23, 5-Leads, Body 2,90x2,70mm, Pitch 0,95mm, IPC Medium Density"
  rect 1x0.6 smd: 1(-1.15,0.95) 2(-1.15,0) 3(-1.15,-0.95) 4(1.15,-0.95) 5(1.15,0.95)
  silkscreen extent -1.28,-1.5 0.25,1.92, body extent -1.19,-1.46 1.21,1.44, height 1.1
SOT23-5N [mm] "SOT23, 5-Leads, Body 2,90x2,70mm, Pitch 0,95mm, IPC Medium Density"
  rect 1x0.6 smd: 1(-1.15,0.95) 2(-1.15,0) 3(-1.15,-0.95) 4(1.15,-0.95) 6(1.15,0.95)
  silkscreen extent -1.27,-1.5 0.25,1.92, body extent -1.19,-1.46 1.21,1.44, height 1.1
SOT-23 [mm] "SOT23, 3-Leads, Body 2.90x2.45mm, Pitch 0.95mm, IPC Medium Density"
  rect 1x0.55 smd: 1(-0.95,0.95) 2(-0.95,-0.95) 3(0.95,0)
  silkscreen extent 0.2,-1.5 0.7,1.5, body extent -1.13,-1.5 1.13,1.5, height 1.21
SOT-23s [mm] "SOT23, 3-Leads, Body 2.90x2.45mm, Pitch 0.95mm, IPC Medium Density"
  rect 1x0.55 smd: 1(-0.95,0.95) 2(-0.95,-0.95) 3(0.95,0)
  silkscreen extent 0.2,-1.5 0.7,1.5, body extent -1.13,-1.5 1.13,1.5, height 1.21
TC2030 [mm]
  round 0.787 smd paste-2: 1(-1.265,-0.637) 2(-1.265,0.638) 3(0.01,-0.637) 4(0.01,0.638) 5(1.285,-0.637) 6(1.285,0.638)
  round 0.991 hole 0.991 unplated: M(2.54,-1.013) M(2.54,1.014)
TL3340AF160QG [mm] "SWITCH TACT SUB MINI 160GF SMD"
  rrect20% 0.75x1.6 smd: 1(1.225,-1.2) 3(-1.225,-1.2)
  rrect20% 0.6x1.8 smd: 2(0,-1.2)
  round 0.5 hole 0.9: 10(2.125,0) 11(-2.125,0)
  rrect20% 1.3x0.7 smd: SH1(-1.85,1.05) SH2(1.85,1.05)
  Component Side pour cut-out: -1,0.103 -1,1.5 1,1.5 1,0.103
  silkscreen extent -2.25,-2.07 2.25,-0.75, body extent -2.25,-1.35 2.25,2.05, height 3.3
TP-R-1.5#1 [mm]
  round 1.5 smd paste-0.75: 1(0,0.213)
TP-R-1.5#2 [mm]
  round 1.5 smd paste-0.75: 1(0,0.068)
TP-R-1.5#3 [mm]
  round 1.5 smd paste-0.75: 1(-0.127,0)
TP-R-1.5#4 [mm]
  round 1.5 smd paste-0.75: 1(0,0)
TP-R-1.5#5 [mm]
  round 1.5 smd paste-0.75: 1(0.047,0)
TP-R-1.5#6 [mm]
  round 1.5 smd paste-0.75: 1(-0.182,0.179)
TP-R-1.5#7 [mm]
  round 1.5 smd paste-0.75: 1(-0.009,0)
TP-R-1.5#8 [mm]
  round 1.5 smd paste-0.75: 1(-1.138,0.105)
TP-R-1.5#9 [mm]
  round 1.5 smd paste-0.75: 1(-0.605,-0.004)
TP-R-1.5#10 [mm]
  round 1.5 smd paste-0.75: 1(-0.143,0)
TP-R-1.5#11 [mm]
  round 1.5 smd paste-0.75: 1(-0.076,0)
TP-R-1.5#12 [mm]
  round 1.5 smd paste-0.75: 1(0.013,0)
TP-R-1.5#13 [mm]
  round 1.5 smd paste-0.75: 1(0.102,0)
TP-R-1.5#14 [mm]
  round 1.5 smd paste-0.75: 1(-0.258,0)
TP-R-1.5#15 [mm]
  round 1.5 smd paste-0.75: 1(0.053,0)
TP-R-1.5#16 [mm]
  round 1.5 smd paste-0.75: 1(0.033,0)
TP-R-1.5#17 [mm]
  round 1.5 smd paste-0.75: 1(-0.018,0)
TP-R-1.5#18 [mm]
  round 1.5 smd paste-0.75: 1(0.483,0)
TP-R-1.5#19 [mm]
  round 1.5 smd paste-0.75: 1(0,-0.093)
TP-R-1.5#20 [mm]
  round 1.5 smd paste-0.75: 1(0.28,0)
TP-R-1.5#21 [mm]
  round 1.5 smd paste-0.75: 1(0.026,0)
TPD4E05U06_PASS [mm]
  rect 0.3x0.55 smd: 1(-1,-0.385) 1(-1,0.385) 2(-0.5,-0.385) 2(-0.5,0.385) 4(0.5,-0.385) 4(0.5,0.385) 5(1,-0.385) 5(1,0.385)
  rect 0.4x0.55 smd: 3(0,-0.385) 8(0,0.385)
  silkscreen extent -1.87,-0.87 1.38,0.87, body extent -1.25,-0.5 1.25,0.51, height 0.56
TPS62823 [mm]
  rect 0.55x0.25 smd: 1(-0.675,0.75) 2(-0.675,0.25) 3(-0.675,-0.25) 4(-0.675,-0.75) 5(0.675,-0.75) 6(0.675,-0.25) 7(0.675,0.25) 8(0.675,0.75)
  silkscreen extent -0.75,-1.15 0.75,1.15, body extent -0.76,-1.02 0.76,1.02, height 1.1
TSOP-6 [mm]
  oval 1.6x0.5 smd: 1(-1.1,0.95) 2(-1.1,0) 3(-1.1,-0.95) 4(1.1,-0.95) 5(1.1,0) 6(1.1,0.95)
  silkscreen extent -1.23,-1.55 0.1,1.87, body extent -0.85,-1.55 0.85,1.55, height 1.1
TSSOP-14 [mm]
  oval 1.7x0.35 smd: 1(-2.85,1.95) 2(-2.85,1.3) 3(-2.85,0.65) 4(-2.85,0) 5(-2.85,-0.65) 6(-2.85,-1.3) 7(-2.85,-1.95) 8(2.85,-1.95) 9(2.85,-1.3) 10(2.85,-0.65) 11(2.85,0) 12(2.85,0.65) 13(2.85,1.3) 14(2.85,1.95)
  silkscreen extent -2.97,-2.55 1.6,2.8, body extent -3.2,-2.5 3.2,2.5, height 1.21
VQFN-24 [mm]
  rect 2.1x2.1 smd: 0(0,0)
  rect 0.25x0.6 smd: 1(1.25,1.9) 2(0.75,1.9) 3(0.25,1.9) 4(-0.25,1.9) 5(-0.75,1.9) 6(-1.25,1.9) 13(-1.25,-1.9) 14(-0.75,-1.9) 15(-0.25,-1.9) 16(0.25,-1.9) 17(0.75,-1.9) 18(1.25,-1.9)
  rect 0.6x0.25 smd: 7(-1.9,1.25) 8(-1.9,0.75) 9(-1.9,0.25) 10(-1.9,-0.25) 11(-1.9,-0.75) 12(-1.9,-1.25) 19(1.9,-1.25) 20(1.9,-0.75) 21(1.9,-0.25) 22(1.9,0.25) 23(1.9,0.75) 24(1.9,1.25)
  silkscreen extent 1.76,2.46 1.94,2.64, body extent -2.01,-2.01 2.01,2.01, height 0.8
WE_7447798720 [mm]
  rect 2.4x3.4 smd: 1(-4.1,0) 2(4.1,0)
  body extent -5.1,-5.1 5.1,5.1, height 6.35
WE_7499110124 [mm] "WE-RJ45 LAN Transformer, THT"
  rect 1.7x1.7 hole 0.89: 1(-5.715,0.51)
  round 1.7 hole 0.89: 2(-4.445,-2.03) 3(-3.175,0.51) 4(-1.905,-2.03) 5(-0.635,0.51) 6(0.635,-2.03) 7(1.905,0.51) 8(3.175,-2.03) 9(4.445,0.51) 10(5.715,-2.03)
  round 1.65 hole 1.02: 11(-5.469,-6.86) 12(-2.929,-6.86) 13(2.921,-6.86) 14(5.461,-6.86)
  round 2.6 hole 1.7: S(-7.878,3.81) S(7.878,3.81)
  round 3.25 hole 3.25 unplated paste+0: ""(-5.715,6.86) ""(5.715,6.86)
  silkscreen extent -7.94,-8.88 7.94,17.3, body extent -8.2,-7.73 8.2,17.58, height 13.35
WE_68711014522_MFG [mm]
  rect 0.3x1.2 smd paste+0 mask+0: 1(-2.25,2.55) 2(-1.75,2.55) 3(-1.25,2.55) 4(-0.75,2.55) 5(-0.25,2.55) 6(0.25,2.55) 7(0.75,2.55) 8(1.25,2.55) 9(1.75,2.55) 10(2.25,2.55)
  rect 2.7x3 smd paste+0 mask+0: 11(-4.18,0.65) 12(4.18,0.65)
  silkscreen extent -5.77,2.52 5.77,3.12, body extent -5.7,-2.16 5.7,2.94, height 2.1
WE_632723100011 [mm] "USB 3.1 Type C Receptacle Horizontal THR"
  rect 0.3x1.2 smd: A1(-2.75,5.635) A2(-2.25,5.635) A3(-1.75,5.635) A4(-1.25,5.635) A5(-0.75,5.635) A6(-0.25,5.635) A7(0.25,5.635) A8(0.75,5.635) A9(1.25,5.635) A10(1.75,5.635) A11(2.25,5.635) A12(2.75,5.635)
  round 0.65 hole 0.4: B1(2.8,4.385) B2(2.4,3.685) B3(1.6,3.685) B4(1.2,4.385) B5(0.8,3.685) B6(0.4,4.385) B7(-0.4,4.385) B8(-0.8,3.685) B9(-1.2,4.385) B10(-1.6,3.685) B11(-2.4,3.685) B12(-2.8,4.385) Shell(-2,4.385) Shell(2,4.385)
  oval 1x1.6 hole 0.6 slot 1.2 at 90 deg: Shell(-4.27,-1.495) Shell(-4.27,3.235) Shell(4.27,-1.495) Shell(4.27,3.235)
  rect 0.2x1 smd: ""(0,-2.045) ""(0,1.055)
  silkscreen extent -4.37,-5.89 4.37,6.01, body extent -4.37,-5.9 4.37,5.9, height 3.05
WE_685119136923 [mm] "Mini HDMI SMT Horizontal"
  rect 0.23x1 smd: 1(3.6,3.6) 2(3.2,3.6) 3(2.8,3.6) 4(2.4,3.6) 5(2,3.6) 6(1.6,3.6) 7(1.2,3.6) 8(0.8,3.6) 9(0.4,3.6) 10(0,3.6) 11(-0.4,3.6) 12(-0.8,3.6) 13(-1.2,3.6) 14(-1.6,3.6) 15(-2,3.6) 16(-2.4,3.6) 17(-2.8,3.6) 18(-3.2,3.6) 19(-3.6,3.6)
  oval 1.2x1.7 hole 0.6 slot 1.1 at 90 deg: Shell(-5.425,-1.95) Shell(5.425,-1.95)
  oval 1.2x1.9 hole 0.6 slot 1.3 at 90 deg: Shell(-5.425,2.55) Shell(5.425,2.55)
  silkscreen extent -5.6,-3.95 5.6,3.65, body extent -5.63,-3.95 5.62,3.95, height 3.29
WSON-10_4x4 [mm] "QFN, 10-Leads, Body 4,00x4,00mm, Pitch 0,65mm, Thermal Pad 2,50x3,15mm, IPC Medium Density"
  rect 0.356x0.85 smd: 1(1.6,2) 2(0.8,2) 3(0,2) 4(-0.8,2) 5(-1.6,2) 6(-1.6,-2) 7(-0.8,-2) 8(0,-2) 9(0.8,-2) 10(1.6,-2)
  rect 3x2.6 smd: 11(0,0)
  silkscreen extent -2.15,-2 2.15,2, body extent -2,-2.02 2,2.02, height 0.8